# Altium PCB WX0.012.299PCB-4.2(4).PcbDoc (part 2 of 3)
Units mm, origin at the board's own origin, x right, y up, seen from the top; angles counter-clockwise.
Board outline 134.25 x 181.85 mm, 4 copper layers (Top Layer, GND, POWER, Bottom Layer), stack 0.778 mm thick; 242 components, 152 nets, 754 pads, 835 vias.
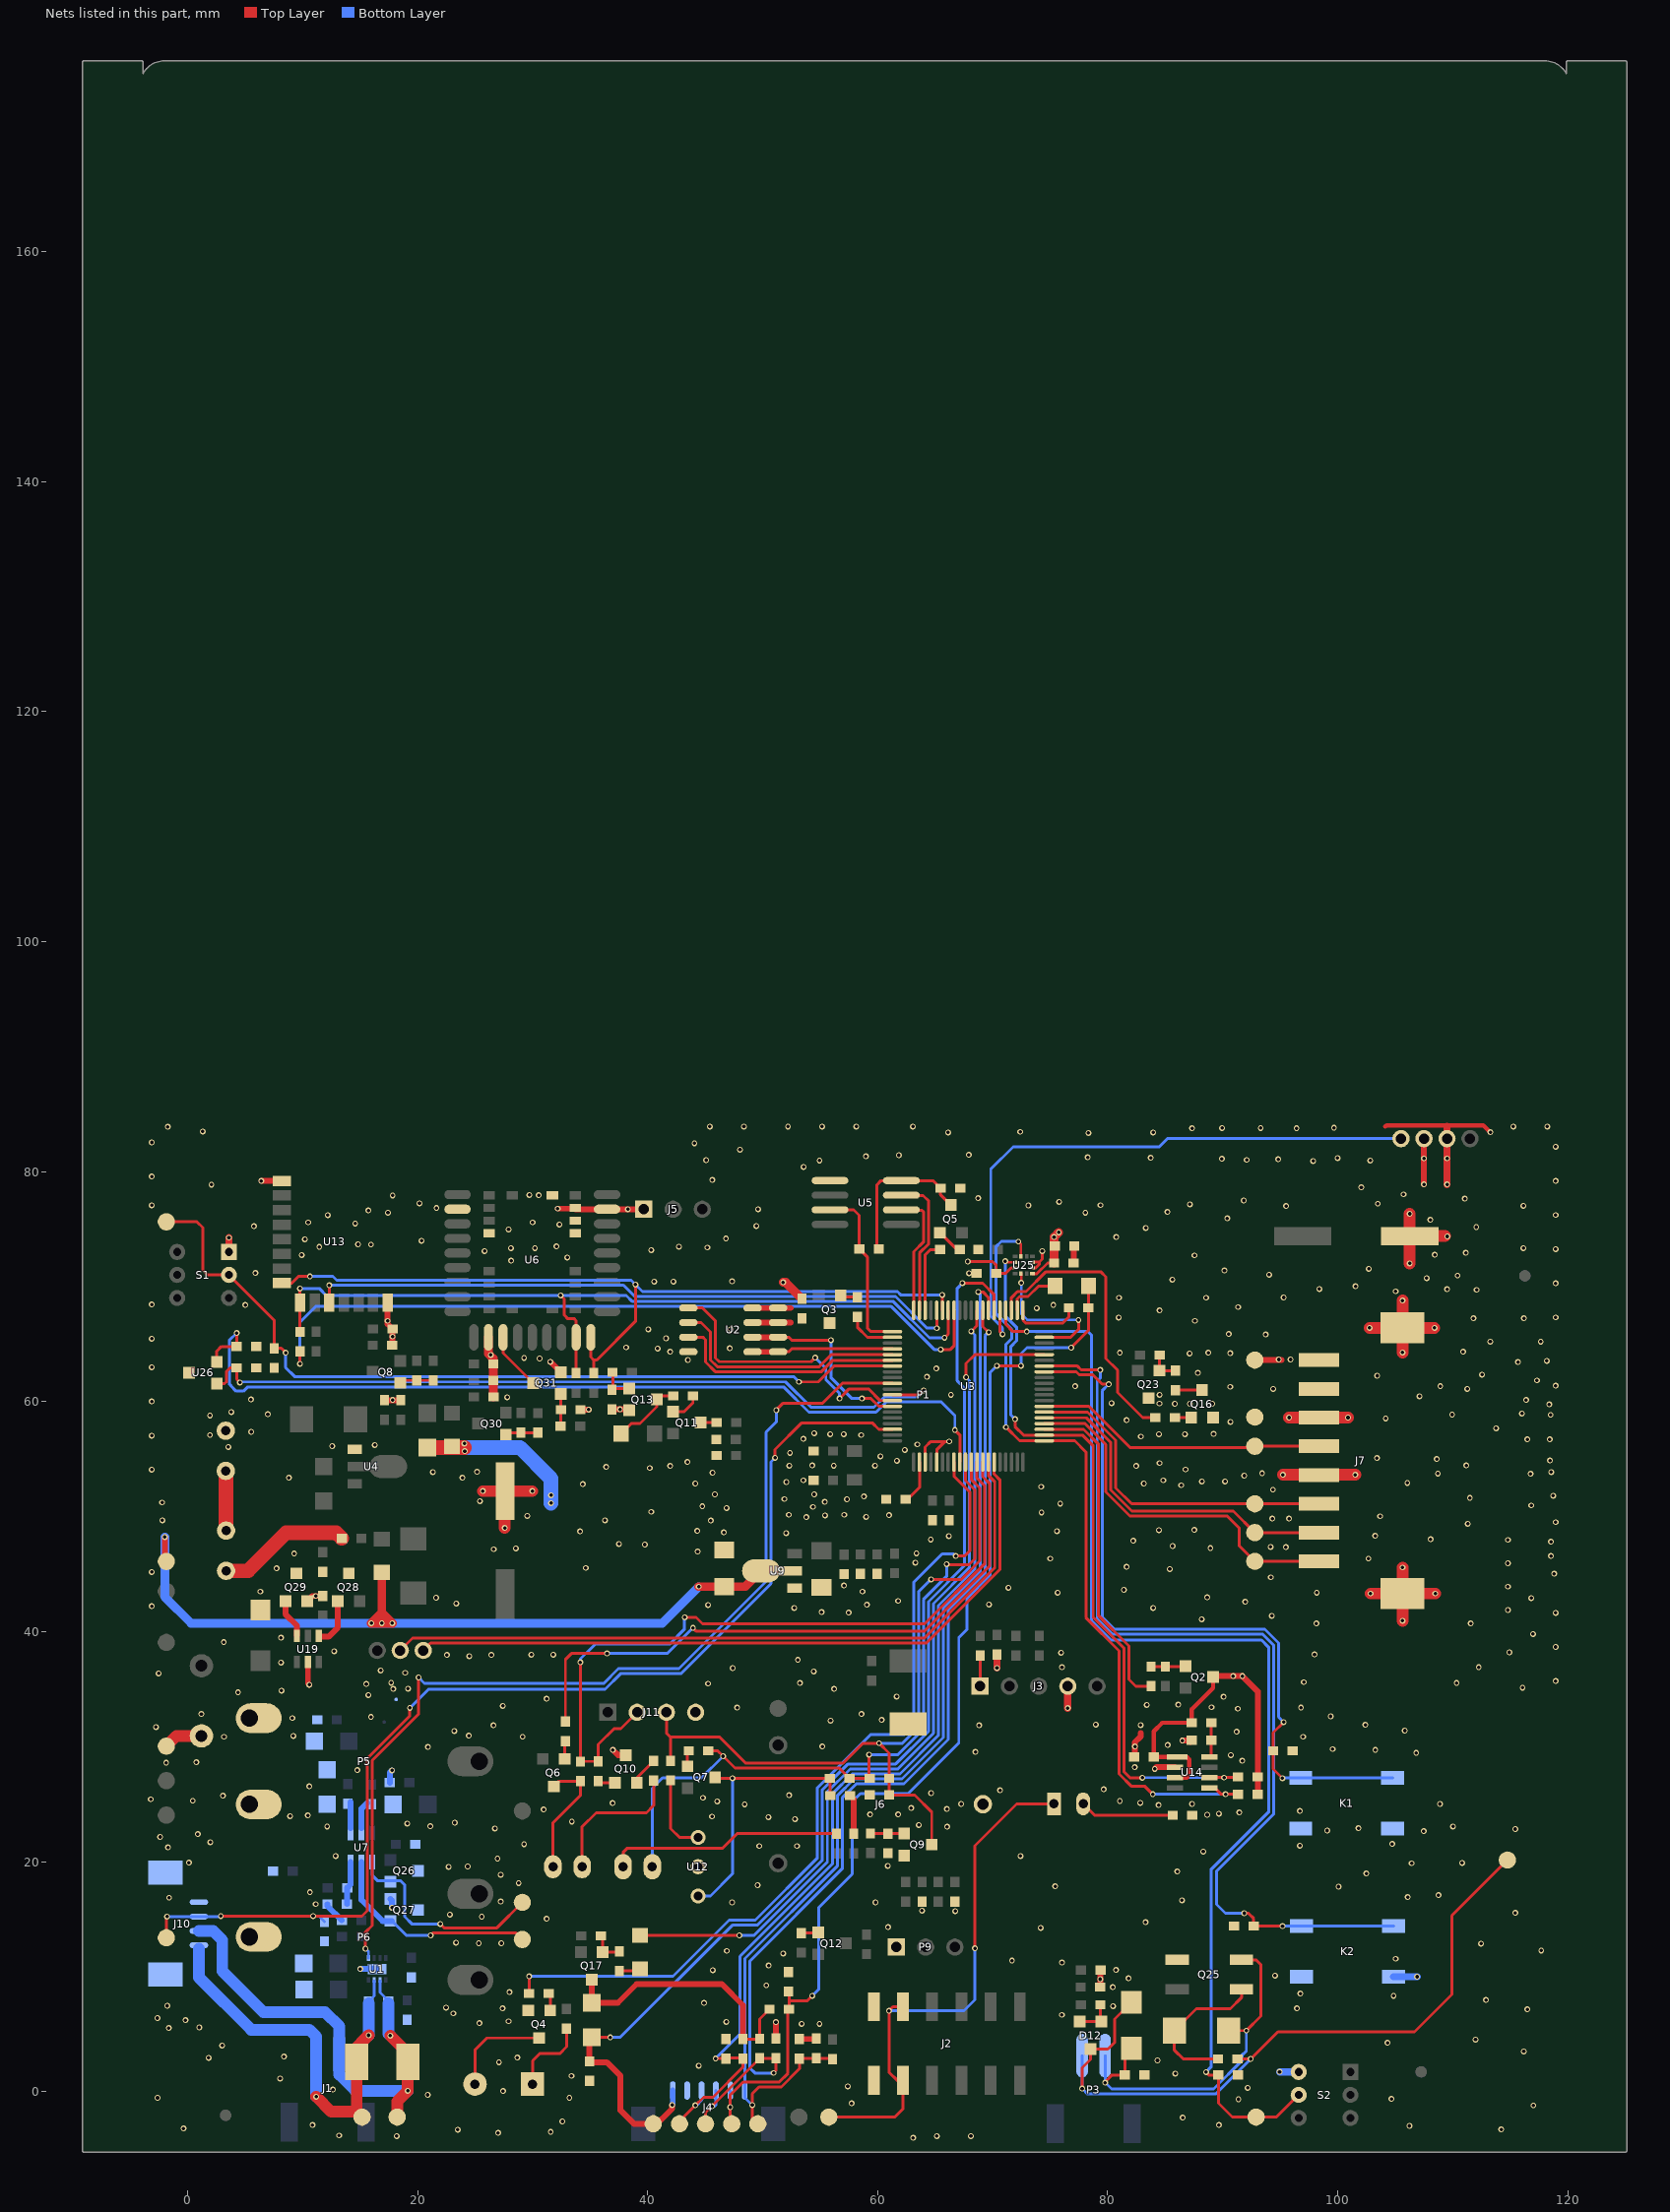
[diagram p4: the nets of this part, all layers, seen from the top]

## Via types
v1: diameter 0.508, hole 0.305, Top Layer to Bottom Layer, tented both sides, 835 vias

## Nets (pads, with @x,y where several pads share a name; then routed paths per layer and width w, separated by ;. In a path a pad name is that pad's centre, name@x,y a point inside that pad or via, vN(x,y) a via of type N, cw(c..) or ccw(c..) an arc to the next point about the centre after c; other vN are vias at no path point) (continued)
BEEP: R22.2 U3.68 | length 74.4
  Top Layer w0.254: R22.2@29.693,8.534 v1(29.693,10.033) ; U3.68@66.633,54.745 66.633,53.528 68.021,52.14 68.021,47.041 67.564,46.584 v1(66.789,46.584)
  Bottom Layer w0.254: v1(29.693,10.033) 42.215,10.033 47.092,14.91 49.348,14.91 54.762,20.324 54.762,26.44 59.386,31.064 62.305,31.064 63.119,31.878 63.119,44.272 65.608,46.761 66.611,46.761 v1(66.789,46.584)
BLE_IND: U3.36 U13.11 | length 57.4
  Top Layer w0.254: U13.11@12.322,68.606 v1(12.322,70.126) ; v1(65.133,66.388) U3.36@65.133,67.945
  Bottom Layer w0.254: v1(12.322,70.126) 37.9,70.126 38.887,69.139 61.545,69.139 64.296,66.388 v1(65.133,66.388)
BLE_INTP: R34.2 U3.33 | length 66.9
  Top Layer w0.254: v1(9.779,63.297) R34.2@9.779,64.364 ; v1(65.481,64.541) 66.319,64.541 66.633,64.855 U3.33@66.633,67.945
  Bottom Layer w0.254: v1(9.779,63.297) 9.779,66.929 11.125,68.275 61.188,68.275 64.921,64.541 v1(65.481,64.541)
BLE_RXD1: R34.1 R95.2 U3.34 U6.17@33.785,65.597 U13.9 | length 71.7
  Top Layer w0.254: R34.1@9.779,66.065 9.782,66.068 U13.9@9.782,68.606 v1(9.782,69.85) ; v1(32.436,69.24) 32.741,68.936 32.741,67.539 33.071,67.208 33.63,67.208 33.785,67.053 U6.17@33.785,65.597 R95.2@33.785,62.586 ; v1(65.811,65.557) 66.133,65.879 U3.34@66.133,67.945
  Bottom Layer w0.254: v1(9.782,69.85) 11.455,69.85 12.065,69.24 v1(32.436,69.24) 38.151,69.24 38.684,68.707 61.366,68.707 64.516,65.557 v1(65.811,65.557)
BLE_TXD1: R96.2 U3.35 U6.18@35.055,65.597 U13.8 | length 71.1
  Top Layer w0.254: U13.8@8.192,70.306 9.067,70.306 9.652,70.891 v1(10.643,70.891) ; U6.18@35.055,65.597 35.055,63.881 35.306,63.63 ; R96.2@35.306,62.484 35.306,63.63 ; v1(38.938,70.18) 38.938,66.98 35.588,63.63 35.306,63.63 ; U3.35@65.633,67.945 v1@65.633,69.291
  Bottom Layer w0.254: v1(10.643,70.891) 12.635,70.891 12.968,70.558 38.56,70.558 v1(38.938,70.18) 39.548,69.571 61.724,69.571 62.004,69.291 v1(65.608,69.291)
CAP_CHK: C46.1 U3.69 U26.2 | length 78.2
  Top Layer w0.254: U26.2@2.549,63.47 2.549,64.398 2.946,64.795 C46.1@4.28,64.795 v1(4.28,65.977) ; v1(66.713,57.531) 67.145,57.099 67.145,54.758 U3.69@67.133,54.745
  Bottom Layer w0.254: v1(4.28,65.977) 3.632,65.329 3.632,61.544 3.785,61.392 3.785,61.356 4.231,60.909 4.862,60.909 5.242,61.289 51.817,61.289 54.026,59.08 59.856,59.08 60.745,59.969 65.543,59.969 66.713,58.799 v1(66.713,57.531)
CAP_CTL: C48.1 U3.52 U26.1 | length 68.1
  Top Layer w0.254: U26.1@2.549,61.57 3.226,61.57 3.404,61.747 3.404,62.636 3.708,62.941 C48.1@4.28,62.941 4.28,61.938 v1(4.547,61.671) ; U3.52@61.283,60.595 63.631,60.595 ; 63.676,60.641 64.01,60.974 v1(64.01,60.985)
  Bottom Layer w0.254: v1(4.547,61.671) 4.596,61.721 51.996,61.721 54.205,59.512 59.678,59.512 60.567,60.401 63.471,60.401 64.01,60.94 v1(64.01,60.985)
CARD_BSL: BSL1.1 C29.2 C95.1 J4.1 R55.1 U3.27 | length 95.8
  Top Layer w0.254: BSL1.1@49.098,-3.099 v1(49.098,-1.168) 49.098,-0.178 49.682,0.406 51.619,0.406 53.194,1.981 C95.1@53.194,2.877 R55.1@56.026,2.877 ; v1(68.745,69.545) 69.152,69.545 69.633,69.064 U3.27@69.633,67.945
  Bottom Layer w0.254: v1(49.098,-1.168) 48.463,-0.533 48.463,11.582 56.49,19.609 56.49,25.725 57.968,27.203 62.108,27.203 65.71,30.805 65.71,42.084 68.898,45.272 68.898,69.393 v1(68.745,69.545)
CARD_POW: C96.2 CPOW1.1 J4.6 R51.1 U3.26 | length 104.7
  Top Layer w0.254: R51.1@35.154,4.724 v1(36.754,4.724) ; v1(67.361,70.307) 69.126,70.307 70.133,69.301 U3.26@70.133,67.945
  Top Layer w0.508: R51.1@35.154,4.724 34.95,4.521 C96.2@34.95,2.629 35.014,2.565 36.449,2.565 37.643,1.372 37.643,-1.626 38.811,-2.794 CPOW1.1@40.488,-2.794 ; CPOW1.1@40.488,-3.124 42.139,-1.473 v1(42.139,-1.168)
  Bottom Layer w0.254: v1(36.754,4.724) 37.615,4.724 47.369,14.478 49.527,14.478 55.194,20.145 55.194,26.261 57.432,28.499 61.572,28.499 64.414,31.341 64.414,42.62 67.551,45.757 67.551,61.178 66.917,61.813 66.917,69.863 v1(67.361,70.307)
  Bottom Layer w0.508: v1@42.189,-1.118 J4.6@42.189,0.102
CARD_POW_EN: D18.2 U3.16 | length 77.1
  Top Layer w0.254: D18.2@39.345,13.591 v1(47.981,13.591) ; v1(67.679,62.128) 67.679,63.322 68.441,64.084 U3.16@74.472,64.084
  Bottom Layer w0.254: v1(47.981,13.591) 49.251,13.591 55.626,19.967 55.626,26.083 57.61,28.067 61.751,28.067 64.846,31.163 64.846,42.441 67.983,45.578 67.983,61.821 v1@67.679,62.126
CARD_RST: C100.1 J4.4 R75.2 RST1.1 U3.29 | length 88.3
  Top Layer w0.254: RST1.1@42.774,-2.565 v1(44.145,-1.194) 44.856,-0.483 45.669,-0.483 48.285,2.134 R75.2@48.285,2.87 ; v1(45.91,2.883) C100.1@46.812,2.883 ; C100.1@46.787,2.921 R75.2@48.12,2.921 ; v1(68.136,66.116) 68.633,66.613 U3.29@68.633,67.945
  Bottom Layer w0.254: v1(44.145,-1.194) 44.232,-1.194 44.689,-0.737 ; v1(45.91,2.883) 48.031,5.004 48.031,11.761 56.058,19.788 56.058,25.904 57.789,27.635 61.929,27.635 65.278,30.984 65.278,42.262 68.441,45.425 68.441,65.811 v1(68.136,66.116)
CARD_SCLK: C99.1 J4.3 R53.2 SCLK1.1 U3.28 | length 91.4
  Top Layer w0.254: SCLK1.1@45.034,-2.794 45.034,-1.829 v1(45.593,-1.27) R53.2@49.746,2.883 ; R53.2@49.733,2.896 51.143,2.896 C99.1@51.156,2.908 51.156,1.829 v1(50.952,1.626) ; U3.28@69.133,67.945 69.133,66.541 v1@69.634,66.04
  Bottom Layer w0.254: v1(45.593,-1.27) 45.847,-1.27 45.939,-1.178 J4.3@45.939,0.102 ; v1(50.952,1.626) 49.327,1.626 48.895,2.057 48.895,11.354 56.921,19.38 56.921,25.546 58.147,26.772 62.287,26.772 66.142,30.626 66.142,41.905 69.33,45.093 69.33,65.735 v1@69.634,66.04
  other v1: 69.66,66.04
CARD_SDA: C98.1 D19.1 DATA1.1 J4.2 R28.1 R54.2 | length 96.6
  Top Layer w0.254: DATA1.1@47.189,-2.942 v1(47.189,-1.346) 47.189,-0.285 48.312,0.838 51.44,0.838 52.197,1.595 R54.2@52.197,7.074 ; R54.2@52.299,7.175 52.299,7.899 ; C98.1@52.299,8.661 52.299,7.899 ; v1(54.305,8.331) 53.873,7.899 52.299,7.899 ; v1(70.358,63.119) v1(72.466,63.119) ; v1(76.823,64.694) 78.321,66.192 78.321,70.051 D19.1@78.323,70.053
  Bottom Layer w0.254: v1(47.189,-1.346) J4.2@47.189,0.102 ; v1(54.305,8.331) 54.889,8.915 54.889,16.026 57.785,18.922 57.785,25.188 58.505,25.908 62.645,25.908 67.056,30.319 67.056,39.486 67.742,40.172 67.742,42.894 69.761,44.914 69.761,62.522 v1(70.358,63.119) ; v1(72.466,63.119) 72.466,64.186 72.974,64.694 v1(76.823,64.694)
CLOSE: U1.5 U3.50 | length 86.9
  Top Layer w0.254: v1(15.469,12.437) 15.469,13.869 16.053,14.453 16.053,28.804 20.091,32.842 v1(20.091,36.017) ; v1(51.181,59.258) 51.181,59.284 51.74,59.842 55.171,59.842 56.924,61.595 U3.50@61.283,61.595
  Bottom Layer w0.254: v1(15.469,12.437) 15.735,12.171 U1.5@15.735,11.618 ; v1(20.091,36.017) 20.599,35.509 36.197,35.509 37.467,36.779 42.725,36.779 50.305,44.359 50.305,57.352 51.181,58.228 v1(51.181,59.258)
CSB_IRDA_CTL: D5.2 R41.2 R45.1 R46.1 U3.70 | length 63.5
  Top Layer w0.254: R45.1@45.276,29.65 46.093,29.65 v1(46.571,29.172) 47.6,28.143 56.658,28.143 R46.1@57.547,27.254 R41.2@59.147,27.254 ; v1(59.258,29.312) 59.258,27.294 R41.2@59.298,27.254 ; v1(65.989,45.872) 66.04,45.822 67.942,45.822 68.453,46.332 68.453,52.319 67.633,53.139 U3.70@67.633,54.745
  Bottom Layer w0.254: D5.2@40.526,19.442 D5.2@40.406,19.562 40.406,26.39 41.296,27.28 44.679,27.28 v1(46.571,29.172) ; v1(59.258,29.312) 61.774,29.312 63.983,31.52 63.983,42.799 65.989,44.806 v1(65.989,45.872)
CSB_IRDA_EN: R37.2 U3.73 | length 55.2
  Top Layer w0.254: R37.2@32.855,32.181 32.855,37.58 33.375,38.099 33.841,38.099 33.842,38.1 34.473,38.1 34.475,38.099 v1(36.474,38.099) ; v1(43.942,40.335) 44.247,40.03 64.036,40.03 69.748,45.743 69.748,52.855 69.133,53.471 U3.73@69.133,54.745
  Bottom Layer w0.254: v1(36.474,38.099) 41.706,38.099 v1(43.942,40.335)
CSB_IRDA_RX5: C28.1 J11.3 Q9.3 R9.2 R41.1 U3.71 | length 67.3
  Top Layer w0.254: J11.3@41.633,32.99 41.633,31.19 41.999,30.823 ; R9.2@41.999,28.777 41.999,30.823 ; v1(64.643,44.552) 67.283,44.552 68.885,46.153 68.885,52.498 68.133,53.249 U3.71@68.133,54.745 ; Q9.3@64.7,21.488 64.7,24.314 63.234,25.78 61.024,25.78 61,25.804 R41.1@61,27.254 61,29.424 v1(60.122,30.302) 58.725,30.302 56.998,28.575 48.514,28.575 46.266,30.823 41.999,30.823
  Bottom Layer w0.254: v1(60.122,30.302) 62.154,30.302 63.551,31.699 63.551,43.459 v1(64.643,44.552)
CSB_IRDA_TX5: J11.2 R50.2 R62.2 U3.72 | length 65.2
  Top Layer w0.254: R50.2@34.158,28.702 v1(34.158,37.338) ; R50.2@34.176,28.72 R62.2@35.7,28.72 35.7,30.188 37.084,31.572 37.675,31.572 J11.2@39.093,32.99 ; v1(43.231,41.25) 44.221,41.25 44.78,40.691 64.085,40.691 69.317,45.922 69.317,52.676 68.633,53.36 U3.72@68.633,54.745
  Bottom Layer w0.254: v1(34.158,37.338) 34.158,37.638 35.458,38.938 41.934,38.938 43.18,40.184 43.18,41.199 v1(43.231,41.25)
DA228_INT: U3.19 U25.5 | length 12.8
  Top Layer w0.203: v1@72.483,70.333 U25.5@72.483,71.132
  Top Layer w0.254: U3.19@74.483,65.595 76.771,65.595 77.458,66.282 v1(77.458,67.107)
  Bottom Layer w0.203: v1(72.479,70.333) 72.479,67.64 73.013,67.107 v1(77.458,67.107)
DW_CHEAK: C106.1 DW.1 J10.3 U3.58 | length 98.9
  Top Layer w0.254: DW.1@-1.841,13.386 v1@-1.841,15.177 ; v1(2.896,15.265) v1(10.922,15.265) 15.164,15.265 15.621,15.723 15.621,28.982 19.329,32.691 v1(19.329,33.376) ; v1(51.079,55.118) 51.079,55.839 53.404,58.164 59.528,58.164 60.096,57.595 U3.58@61.283,57.595
  Bottom Layer w0.254: v1(-1.788,15.23) J10.3@0.991,15.23 2.86,15.23 v1(2.896,15.265) ; v1(10.922,15.265) 11.43,15.265 C106.1@11.913,14.783 ; v1(19.329,33.376) 20.955,35.001 36.3,35.001 37.646,36.347 42.904,36.347 50.737,44.18 50.737,54.775 v1(51.079,55.118)
ESAM_CLK: U3.40 U5.6 | length 10.3
  Top Layer w0.254: U5.6@62.688,76.656 63.831,76.656 64.009,76.478 64.009,73.913 63.133,73.037 U3.40@63.133,67.945
ESAM_IO: R36.1 U3.41 U5.3 | length 15.1
  Top Layer w0.254: U5.3@55.855,76.683 57.912,76.683 58.395,76.2 R36.1@58.395,73.279 59.132,72.542 59.132,66.369 59.406,66.095 U3.41@61.283,66.095
ESAM_POW: R27.2 U3.38 | length 6.3
  Top Layer w0.254: U3.38@64.133,67.945 64.133,72.767 64.593,73.227 R27.2@65.431,73.227
ESAM_RST: U3.39 U5.7 | length 11.8
  Top Layer w0.254: U5.7@62.688,77.926 63.958,77.926 64.441,77.444 64.441,73.734 63.633,72.927 U3.39@63.633,67.945
FLASH_CLK: U2.6 U3.54 | length 14.3
  Top Layer w0.254: U2.6@51.343,65.607 52.274,65.607 52.528,65.353 v1(55.931,65.354) ; v1(58.636,60.274) 59.423,60.274 60.101,59.595 U3.54@61.283,59.595
  Bottom Layer w0.254: v1(55.931,65.354) 55.931,62.101 57.758,60.274 v1(58.636,60.274)
FLASH_CS: U2.1 U3.53 | length 24.8
  Top Layer w0.254: U2.1@43.543,68.147 44.781,68.147 45.899,67.03 45.899,63.806 46.23,63.475 54.205,63.475 v1(54.56,63.829) ; v1(56.68,60.274) 57.519,61.112 59.195,61.112 60.212,60.095 U3.53@61.283,60.095
  Bottom Layer w0.254: v1(54.56,63.829) 55.499,62.89 55.499,61.923 56.68,60.741 v1(56.68,60.274)
FLASH_MISO: U2.2 U3.45 | length 21.2
  Top Layer w0.254: U2.2@43.543,66.877 44.654,66.877 45.467,66.064 45.467,63.627 46.051,63.043 54.917,63.043 55.969,64.095 U3.45@61.283,64.095
FLASH_MOSI: U2.5 U3.44 | length 10
  Top Layer w0.254: U2.5@51.343,64.337 52.274,64.337 52.528,64.591 U3.44@61.279,64.591
FLASH_POWER: R17.1 U3.42 | length 4.3
  Top Layer w0.254: R17.1@58.243,67.385 58.243,66.472 59.119,65.595 U3.42@61.283,65.595
FLASH_WP: U2.3 U3.46 | length 20.5
  Top Layer w0.254: U2.3@43.543,65.607 44.807,65.607 45.035,65.379 45.035,63.448 45.872,62.611 55.115,62.611 56.099,63.595 U3.46@61.283,63.595
GND: C9.1 C10.1 C11.2 C12.2 C16.1 C17.1 C18.2 C20.1 C22.1 C23.2 C25.2 C27.2 C28.2 C29.1 C30.1 C32.2 C33.1 C35.2 C36.1 C38.2 C41.2 C46.2 C48.2 C49.1 C50.2 C52.2 C55.1 C61.1 C63.2 C64.2 C65.2 C66.2 C70.1 C71.1 C75.2 C77.2 C78.2 C80.2 C81.2 C82.2 C83.2 C91.2 C95.2 C96.1 C98.2 C99.2 C100.2 C102.2 C103.1 C104.1 C105.1 C106.2 FB2.1 GND1.1 GND.1 J2.11 J2.12 J3.4 J4.5 J5.1 J6.2 J7.4 J7.6 J7.9 J7.10 J10.4 J10.5 J10.6 J11.4 K1.2 K2.2 P1.2 P1.3 P2.2 P9.1 Q4.2 Q9.2 Q10.3 Q13.2 Q16.2 Q25.3 Q27.2 Q29.2 Q31.2 R32.2 R60.1 R66.2 R73.2 R78.2 R80.1 R81.1 R94.2 R99.1 R100.1 R116.2 S1.1 S2.6 S3.2 TVS1.1 U1.9 U2.4 U3.63 U3.65 U4.1 U5.1 U6.2@23.475,76.737 U6.11@26.165,65.597 U6.26@36.475,76.737 U6.29 U6.30 U6.31 U6.33 U6.38 U9.1 U12.2 U13.1 U13.15 U14.2 U25.8 U25.9 U26.3 | length 134.1
  Top Layer w0.254: U6.31@33.662,76.784 U6.31@33.725,76.847 ; U3.63@64.133,54.745 64.133,56.056 64.618,56.54 65.856,56.54 ; U3.65@65.133,54.745 65.133,55.817 65.856,56.54 ; v1(66.218,56.54) 65.856,56.54 ; v1(67.945,71.171) C103.1@68.606,71.171 ; U25.8@73.458,71.632 73.737,71.632 74.054,71.949 74.054,72.137 U25.9@73.463,72.137 ; 74.055,72.137 74.308,72.39 v1(74.308,73.101)
  Top Layer w0.381: 104.123,83.923 104.235,84.035 112.647,84.035 113.244,83.438 v1(113.272,83.438)
  Top Layer w0.508: v1(6.414,79.196) U13.1@8.192,79.196 ; Q29.2@10.414,42.666 10.852,43.104 R99.1@11.76,43.104 ; C23.2@17.12,60.122 C102.2@18.542,60.122 ; U13.15@17.402,68.606 17.402,66.748 17.818,66.332 C63.2@17.818,64.922 ; v1(31.547,63.472) Q31.2@32.448,62.57 ; v1(32.182,76.784) U6.31@33.662,76.784 ; U6.31@33.725,76.737 33.728,76.733 J5.1@39.675,76.733 ; R94.2@34.163,59.309 v1(34.874,59.309) ; R78.2@36.893,59.334 Q13.2@38.3,59.334 ; v1(36.982,29.718) 37.434,29.266 Q10.3@38.113,29.266 ; C99.2@51.156,4.61 v1(51.156,6.045) ; C95.2@53.194,4.578 C29.1@54.616,4.578 ; C9.1@57.585,25.756 57.916,25.425 R60.1@57.916,22.428 ; C104.1@77.039,72.06 C105.1@77.038,73.482 ; C38.2@79.35,9.092 C80.2@79.35,10.197 ; C12.2@82.36,29.165 82.36,30.378 82.855,30.873 82.855,31.166 ; v1(84.087,28.073) 84.225,28.211 U14.2@85.835,28.211 ; v1(86.487,30.531) 87.078,30.531 87.18,30.428 R32.2@87.307,30.555 ; v1(107.496,78.889) P1.3@107.496,82.869
  Top Layer w0.635: S1.1@3.6,73.018 v1(3.6,74.263) ; v1(70.372,36.842) C33.1@70.372,38.014 ; v1(76.531,33.349) J3.4@76.531,35.254 ; v1(109.496,78.889) P1.2@109.496,82.869 ; 109.496,81.778 109.496,83.921
  Top Layer w0.762: U6.11@26.165,65.597 26.165,64.158 26.571,63.751 C81.2@26.571,60.427 ; v1(51.791,70.383) 51.993,70.383 C18.2@53.417,68.96
  Top Layer w1.016: GND.1@-1.841,30.047 -0.952,30.936 P2.2@1.207,30.936 ; v1(25.67,52.224) C75.2@27.61,52.224 v1(29.982,52.224) ; v1(27.584,49.022) C75.2@27.584,52.224 ; v1(95.225,53.649) v1(101.522,53.649) ; v1(95.759,58.619) v1(100.89,58.619) ; v1(102.767,66.418) J7.10@105.625,66.418 v1(108.405,66.418) ; v1(102.845,43.318) J7.9@105.625,43.318 ; v1(105.625,40.945) J7.9@105.625,43.318 ; v1(105.625,45.586) J7.9@105.625,43.318 ; v1(105.625,64.28) v1(105.625,68.791) ; v1(106.25,72.024) C77.2@106.25,74.397 ; v1(106.25,76.336) C77.2@106.25,74.397 ; v1(108.483,43.318) J7.9@105.625,43.318 ; v1@109.322,74.397 C77.2@106.25,74.397
  Bottom Layer w0.508: R116.2@12.167,16.307 12.167,16.142 C35.2@13.411,14.897 ; v1(15.024,10.668) U1.9@16.485,10.668 ; C71.1@17.59,26.873 17.59,27.75 v1(17.78,27.94) ; Q27.2@17.647,16.749 17.78,16.616 v1(17.78,16.002)
  Bottom Layer w0.635: v1(94.941,1.718) S2.6@96.598,1.718 ; K2.2@104.858,9.996 v1(106.886,9.996)
  other v1: 63.081,-4.014 18.186,-3.861 65.134,-3.862 68.101,-3.862 13.183,-3.81 27,-3.581 31.572,-3.505 23.495,-3.302 114.212,-3.278 -0.342,-3.201 106.236,-2.973 10.871,-2.896 89.662,-2.896 32.588,-2.591 86.512,-2.261 117.006,-1.195 57.734,-1.016 91.364,-0.66 104.661,-0.636 -2.603,-0.534 33.198,-0.533 20.879,-0.279 27.432,0.051 12.649,0.178 92.177,0.33 57.404,0.457 8.052,1.143 33.376,1.372 85.877,1.575 44.45,2.261 27.076,2.565 84.328,2.718 1.829,2.946 28.677,2.972 8.382,3.048 116.167,3.504 3.01,4.012 104.318,4.242 111.976,4.52 -1.626,5.537 1.016,5.588 53.391,5.893 54.94,5.893 25.385,5.962 46.838,6.071 27.915,6.121 -0.178,6.223 -2.616,6.401 76.01,6.679 23.114,6.807 116.472,7.162 27.381,7.239 96.444,7.239 22.479,7.315 80.467,7.442 -1.753,7.468 44.907,7.722 112.891,7.975 104.851,8.331 96.749,8.534 27.991,8.661 80.442,9.093 50.317,9.246 79.35,9.779 81.813,9.855 94.539,10.084 45.669,10.566 80.721,10.592 50.521,10.973 76.022,11.227 71.679,11.405 105.029,11.557 51.791,12.014 46.888,12.243 117.691,12.267 112.459,12.877 25.324,12.903 27.28,12.903 23.343,12.954 74.168,14.249 60.909,14.3 83.287,14.732 31.217,15.037 25.578,15.215 22.809,15.392 115.431,15.544 66.751,15.697 63.856,15.748 11.151,16.307 47.346,16.459 59.817,16.459 27.229,16.535 86.449,16.636 -1.6,16.866 106.084,16.915 108.751,17.093 10.643,17.348 100.064,17.83 75.438,17.856 49.555,17.958 28.791,18.135 27.229,18.872 102.477,18.973 86.055,19.152 22.708,19.558 24.359,19.583 60.884,19.634 106.414,19.862 110.808,19.887 0.127,19.914 26.949,20.269 12.878,20.498 72.415,20.498 88.304,20.878 -1.702,21.234 49.708,21.361 52.984,21.361 96.698,21.387 29.261,21.514 104.724,21.539 1.981,21.692 -2.388,22.149 0.889,22.403 107.467,22.657 99.085,22.708 115.431,22.834 26.721,22.885 101.803,22.911 66.04,23.038 12.141,23.063 110.021,23.062 21.107,23.089 63.576,23.19 19.101,23.317 23.241,23.393 33.414,23.494 52.807,23.698 50.495,23.876 45.606,23.926 8.915,23.952 10.461,24.025 88.646,24.079 59.334,24.105 61.773,24.105 89.662,24.181 91.44,24.282 96.698,24.409 30.963,24.536 66.015,24.587 62.916,24.663 84.43,24.917 48.438,24.994 67.259,25.019 87.325,25.019 108.878,25.018 36.957,25.095 82.829,25.121 46.05,25.248 81.051,25.273 0.457,25.298 -3.2,25.425 44.806,25.552 3.073,25.73 52.299,25.781 64.643,25.959 70.637,26.213 79.654,26.289 10.592,26.543 14.757,27.965 82.347,28.219 -1.854,28.6 0.762,28.651 91.694,28.778 90.703,29.261 106.82,29.463 68.492,29.539 103.264,29.717 99.556,29.793 20.904,29.972 82.36,30.01 55.194,30.023 85.217,30.15 3.175,30.861 29.134,30.861 96.977,30.861 9.195,30.937 24.46,30.963 91.211,31.293 23.19,31.369 105.83,31.393 -2.743,31.699 26.594,31.852 68.822,31.851 82.855,31.877 102.401,31.901 78.969,31.928 55.905,32.258 60.35,32.334 9.119,32.487 15.951,32.588 99.378,32.638 1.207,32.841 58.598,32.842 91.313,33.299 47.777,33.401 96.799,33.401 89.027,33.426 27.407,33.553 83.388,33.63 86.131,33.655 31.217,34.163 90.068,34.341 61.646,34.366 15.723,34.493 4.394,34.722 8.179,34.874 56.21,35.027 19.177,35.052 116.061,35.127 15.545,35.458 45.263,35.484 53.238,35.535 110.325,35.534 97.053,35.611 118.936,35.704 -2.501,36.372 18.923,36.424 54.432,36.551 16.789,36.627 47.396,36.83 76.023,36.905 112.256,36.905 8.128,37.313 53.061,37.541 24.496,37.869 22.555,37.973 26.416,37.973 29.896,37.998 31.801,37.998 97.981,38.023 75.955,38.175 114.923,38.201 12.751,38.303 118.936,38.672 3.15,39.091 8.128,39.472 116.98,39.801 98.146,40.716 111.557,40.716 88.163,41.072 94.259,41.377 118.936,41.639 57.48,41.656 55.118,41.707 114.796,41.884 52.756,42.062 83.956,42.061 -3.111,42.216 45.263,42.316 59.055,42.342 69.672,42.367 23.368,42.443 91.948,42.596 61.773,42.672 116.828,42.925 21.615,42.951 88.646,42.977 11.151,43.104 75.641,43.383 98.171,43.383 6.325,43.485 58.674,43.485 81.407,43.637 71.374,43.815 114.796,43.916 57.074,44.018 94.183,44.729 118.809,45.033 -3.111,45.183 85.395,45.441 7.747,45.517 34.62,45.542 81.636,45.644 114.796,45.948 63.271,45.999 75.006,46.355 102.667,46.355 118.53,46.583 9.271,46.787 63.373,46.812 44.348,46.965 26.619,47.168 28.55,47.244 88.925,47.269 95.479,47.346 94.158,47.371 85.649,47.447 39.751,47.574 37.516,47.625 118.537,47.827 82.22,47.904 114.796,47.98 64.618,48.006 108.077,48.031 66.192,48.311 103.251,48.336 52.045,48.565 46.634,48.641 34.138,48.717 75.59,48.743 44.323,48.768 84.455,48.819 87.528,48.844 111.303,49.378 118.936,49.524 45.491,49.657 -2.184,49.682 36.297,49.682 94.31,49.835 95.758,49.835 53.797,49.962 59.004,49.987 103.683,50.038 29.54,50.063 55.423,50.114 60.985,50.14 52.273,50.165 57.099,50.165 74.244,50.368 40.31,50.419 46.863,50.749 54.381,50.851 44.755,50.902 116.815,50.978 75.87,51.13 -2.21,51.232 55.397,51.283 25.425,51.359 57.328,51.511 51.892,51.537 111.481,51.638 58.801,51.765 118.733,51.815 45.847,51.943 54.483,51.943 94.361,52.349 74.219,52.603 86.385,52.73 34.366,52.832 44.145,52.883 83.134,52.883 106.045,52.934 52.07,53.01 88.189,53.061 90.195,53.061 53.543,53.162 84.836,53.162 8.814,53.391 23.901,53.391 91.872,53.569 116.764,53.721 108.7,53.745 93.421,53.772 45.644,53.823 21.336,53.873 118.555,53.872 25.171,53.899 -3.111,54.085 86.766,54.102 40.183,54.229 36.398,54.331 41.961,54.407 82.474,54.407 52.324,54.432 56.185,54.432 59.767,54.431 54.305,54.458 111.176,54.458 84.506,54.661 43.459,54.762 61.671,54.864 118.453,54.888 108.598,55.015 103.403,55.093 60.236,55.245 52.375,55.55 62.357,55.804 3.556,56.058 12.573,56.134 16.281,56.236 63.449,56.286 116.484,56.718 118.428,56.717 53.543,56.769 82.88,56.972 -3.111,57.052 1.956,57.099 58.572,57.099 55.88,57.175 57.048,57.175 84.455,57.175 86.716,57.175 89.205,57.201 54.483,57.252 5.537,57.379 113.754,57.682 90.678,58.242 81.636,58.395 104.165,58.547 1.956,58.801 118.504,58.851 109.944,58.876 6.985,58.903 116.015,58.978 3.81,59.106 37.597,59.334 118.377,59.765 85.827,59.817 87.14,59.815 89.078,59.817 80.34,59.868 -3.111,60.019 17.831,60.147 116.371,60.146 5.512,60.198 27.788,60.376 107.1,60.476 66.37,60.604 94.386,61.112 111.252,61.112 90.653,61.29 77.165,61.341 108.915,61.341 118.936,61.393 117.323,61.849 64.287,62.154 103.429,62.255 112.547,62.357 87.833,62.509 65.1,62.89 -3.111,62.986 115.67,63.448 118.174,63.55 43.51,63.627 30.607,63.754 29.261,63.805 26.365,64.059 87.122,64.186 90.653,64.211 81.051,64.262 88.748,64.262 41.961,64.338 110.896,64.338 40.869,64.618 47.142,64.643 38.125,64.719 113.257,65.226 117.648,65.226 -3.111,65.48 41.605,65.507 17.818,65.659 93.726,65.837 90.526,65.888 40.056,66.294 47.219,66.294 17.402,67.031 87.579,67.031 111.788,67.258 116.178,67.258 80.95,67.31 118.936,67.327 84.506,67.945 73.825,68.123 91.338,68.224 5.017,68.401 75.273,68.402 -3.111,68.447 80.975,69.037 88.544,69.037 95.301,69.063 105.029,69.596 112.065,69.723 109.499,69.774 98.4,69.799 101.549,70.028 118.936,70.295 40.564,70.434 42.24,70.434 47.346,70.46 85.623,70.612 107.721,70.739 110.414,70.968 94.031,71.044 5.906,71.195 90.145,71.399 102.692,71.552 28.143,72.263 33.02,72.542 87.554,72.72 9.931,72.746 108.433,72.771 111.125,72.949 25.832,73.101 40.31,73.177 118.936,73.262 28.118,73.355 30.201,73.355 116.142,73.354 45.187,73.406 11.455,73.457 42.723,73.482 32.08,73.508 15.951,73.66 14.834,73.685 20.345,73.99 10.211,74.117 46.812,74.193 80.747,74.32 109.525,74.371 27.915,74.981 83.312,75.108 112.039,75.184 5.779,75.259 49.454,75.286 32.334,75.413 14.58,75.489 10.49,75.59 29.997,75.59 108.052,75.819 90.399,75.946 12.192,76.225 118.936,76.229 17.424,76.429 78.054,76.429 85.192,76.505 15.723,76.632 38.278,76.737 49.606,76.733 21.641,76.835 95.504,77.013 116.142,77.037 73.101,77.064 -3.111,77.083 79.375,77.089 87.147,77.165 103.48,77.216 20.168,77.241 75.768,77.368 91.821,77.495 111.049,77.648 68.732,77.699 17.831,77.927 30.531,77.953 29.718,77.978 105.715,78.029 102.045,78.637 2.083,78.867 118.936,79.196 45.618,79.273 -3.111,79.577 53.569,80.416 97.866,80.924 54.94,80.975 102.832,80.974 45.085,81.001 92.088,81.025 94.818,81.077 89.916,81.128 107.496,81.153 109.496,81.153 99.974,81.178 83.732,81.203 78.257,81.255 58.979,81.331 61.837,81.431 67.92,81.458 48.031,81.915 118.936,82.163 44.069,82.474 -3.111,82.544 78.321,83.362 66.116,83.414 83.947,83.414 72.39,83.464 1.321,83.49 87.325,83.769 96.418,83.769 89.941,83.795 93.294,83.795 99.67,83.82 -1.714,83.895 45.403,83.923 48.37,83.923 52.203,83.923 55.17,83.923 58.138,83.923 63.056,83.923 115.253,83.923 118.22,83.923
HP303_CTRL: R21.1 U3.3 | length 29
  Top Layer w0.254: U3.3@74.483,57.595 77.909,57.595 79.173,56.332 79.173,41.43 81.852,38.75 81.852,35.851 82.449,35.254 R21.1@83.77,35.254
HP303_SCL: R12.2 U3.1 U14.5 U25.12 | length 69.7
  Top Layer w0.203: v1(72.232,73.918) 72.458,73.693 U25.12@72.458,72.632
  Top Layer w0.254: v1(71.158,57.785) 72.348,56.595 U3.1@74.483,56.595 77.136,56.595 78.105,55.626 78.105,41.224 80.989,38.341 80.989,27.634 82.081,26.542 83.236,26.542 v1(83.922,25.856) ; U14.5@88.835,26.411 89.311,26.411 89.866,25.856 v1(90.247,25.856) R12.2@91.339,25.856
  Bottom Layer w0.254: v1(71.158,57.785) 71.158,64.986 71.641,65.469 71.641,66.294 70.269,67.666 70.269,73.457 70.752,73.939 v1@72.232,73.939 ; v1(83.922,25.856) v1(90.247,25.856)
HP303_SDA: R13.2 U3.2 U14.6 U25.2 | length 64.3
  Top Layer w0.203: v1@71.162,72.132 U25.2@71.958,72.132
  Top Layer w0.254: v1(71.945,58.471) 71.945,57.833 72.682,57.095 U3.2@74.483,57.095 77.798,57.095 78.741,56.153 78.741,41.249 81.42,38.569 81.42,27.813 81.929,27.304 v1(83.008,27.304) ; U14.6@88.835,27.311 v1(90.12,27.311) 91.271,27.311 R13.2@91.339,27.38
  Bottom Layer w0.254: v1(71.082,72.212) 71.082,67.463 72.073,66.473 72.073,65.29 71.59,64.807 71.59,58.825 v1(71.945,58.471) ; v1(83.008,27.304) v1(90.12,27.311)
HP303_VCC: C12.1 C103.2 C104.2 C105.2 Q2.3 R1.2 R12.1 R13.1 U14.1 U14.3 U25.3 U25.7 | length 40.1
  Top Layer w0.254: v1(67.831,72.187) 69.99,72.187 70.307,71.869 C103.2@70.308,71.171 ; C103.2@70.308,71.171 71.133,71.171 71.594,71.632 U25.3@71.958,71.632 ; U25.7@73.458,71.132 73.847,71.132 74.775,72.06 C104.2@75.337,72.06
  Top Layer w0.381: U14.3@85.835,27.311 86.876,27.311 87.072,27.507 87.072,28.904 86.865,29.111 U14.1@86.035,29.111 C12.1@84.008,29.111 84.008,31.341 84.747,32.079 R1.2@87.307,32.079 87.307,33.243 89.161,35.097 Q2.3@89.161,36.052
  Top Layer w0.508: Q2.3@89.161,36.052 89.241,36.131 v1(90.907,36.131) v1(91.707,36.131) 93.041,34.797 R12.1@93.041,25.856
  Top Layer w0.762: C104.2@75.337,72.06 v1(75.337,74.321) v1(75.743,74.727)
IN1: 119.1 D12.3 P3.1 R90.1 TVS3.1 | length 63.8
  Top Layer w0.254: v1(77.779,0.276) 77.779,2.087 78.506,2.814 D12.3@78.506,3.701 80.017,3.701 80.594,4.278 80.594,6.325 TVS3.1@82.042,7.772 ; R90.1@91.288,2.845 v1(92.431,2.845) 94.793,5.207 106.669,5.207 109.919,8.457 109.919,15.315 119.1@114.745,20.141
  Bottom Layer w0.254: P3.1@77.779,3.127 v1(77.779,0.276) 78.257,-0.203 89.383,-0.203 v1(92.431,2.845)
INTP1: C16.2 K1.1 U3.13 | length 65.1
  Top Layer w0.254: U3.13@74.483,62.595 77.258,62.595 77.523,62.331 78.705,62.331 79.517,61.518 79.518,61.519 v1(80.086,61.519) ; v1(95.187,27.253) 94.387,28.054 C16.2@94.387,29.641 94.387,31.217 v1@95.301,32.131
  Bottom Layer w0.254: v1(80.086,61.519) 79.515,60.948 79.515,41.275 80.583,40.207 93.653,40.207 94.844,39.015 94.844,32.575 v1(95.288,32.131) ; v1(95.187,27.253) 95.228,27.294 K1.1@96.775,27.294 K1.1@104.775,27.294
INTP2: C17.2 K2.1 U3.14 | length 84.2
  Top Layer w0.254: U3.14@74.483,63.095 77.369,63.095 77.702,62.762 v1(79.35,62.762) ; v1(91.873,15.518) 92.228,15.518 92.685,15.062 C17.2@92.685,14.396 v1(95.199,14.396)
  Bottom Layer w0.254: v1(79.35,62.762) 79.35,62.062 79.083,61.795 79.083,41.096 80.404,39.775 93.474,39.775 94.413,38.837 94.413,24.13 89.459,19.176 89.459,16.281 90.222,15.518 v1(91.873,15.518) ; v1(95.199,14.396) K2.1@96.858,14.396 K2.1@104.858,14.396
IRQ: D9.1 IRQ.1 J2.9 J2.10 | length 47.1
  Top Layer w0.254: IRQ.1@55.753,-2.211 61.492,-2.211 62.2,-1.503 J2.9@62.2,0.977 61.7,0.977 60.985,1.692 v1(60.985,7.036) 61.328,7.378 J2.10@62.2,7.378 ; v1(68.453,12.471) 68.453,21.387 72.09,25.023 D9.1@75.331,25.023
  Bottom Layer w0.254: v1(60.985,7.036) 67.501,7.036 68.453,7.988 v1(68.453,12.471)
KEY_OPEN: C61.2 KEY_OPEN.1 S1.2 U3.47 | length 73.8
  Top Layer w0.254: KEY_OPEN.1@-1.841,75.64 0.826,75.64 1.334,75.132 1.334,71.449 1.765,71.018 S1.2@3.6,71.018 7.544,67.075 C61.2@7.544,64.655 ; C61.2@7.544,64.643 8.153,64.643 v1(8.534,64.262) ; v1(53.162,61.722) 54.836,61.722 56.21,63.095 U3.47@61.283,63.095
  Bottom Layer w0.254: v1(8.534,64.262) 8.534,62.967 9.348,62.153 52.731,62.153 v1(53.162,61.722)
KEY_OPEN1: C70.2 KEY_OPEN1.1 S2.5 U3.24 | length 101.2
  Top Layer w0.254: U3.24@71.133,67.945 71.133,66.726 71.768,66.091 v1(72.962,66.091) ; v1(88.544,1.702) 88.798,1.448 C70.2@89.624,1.448 89.624,-1.003 90.831,-2.211 KEY_OPEN1.1@92.901,-2.211 ; KEY_OPEN1.1@93.066,-2.211 94.669,-2.211 S2.5@96.598,-0.282
  Bottom Layer w0.254: v1(72.962,66.091) 78.296,66.091 78.601,65.786 78.601,63.371 ; 78.588,63.359 78.588,40.981 80.302,39.267 93.371,39.267 93.981,38.658 93.981,24.309 88.976,19.304 88.976,2.134 v1(88.544,1.702)
LCD_PWR: P1.4 U3.25 | length 53.7
  Top Layer w0.254: U3.25@70.633,67.945 70.633,66.083 v1(70.854,65.862)
  Bottom Layer w0.254: v1(70.854,65.862) 70.854,66.421 69.838,67.437 69.838,80.226 71.78,82.169 84.48,82.169 85.181,82.869 P1.4@105.496,82.869
LCD_SCL: P1.7 U3.74 | length 64.1
  Top Layer w0.254: P1.7@18.496,38.369 19.571,39.444 64.06,39.444 70.18,45.564 70.18,53.034 69.633,53.581 U3.74@69.633,54.745
LCD_SDA: P1.6 U3.75 | length 62.6
  Top Layer w0.254: P1.6@20.496,38.369 21.139,39.012 64.238,39.012 70.612,45.386 70.612,53.213 70.133,53.692 U3.75@70.133,54.745
MOTO_B: C60.2 C101.2 J1.1 J10.1 M_B1.1 TVS2.1 U1.3 | length 35.9
  Top Layer w1.016: v1(11.192,-0.432) 12.501,-1.74 M_B1.1@14.707,-1.74 ; TVS2.1@14.313,3.467 v1(15.748,4.902) ; TVS2.1@14.707,2.591 M_B1.1@14.707,-1.74 ; M_B1.1@15.177,-2.211 M_B1.1@14.707,-1.74
  Bottom Layer w0.254: C101.2@15.748,7.849 16.235,8.335 U1.3@16.235,9.631
  Bottom Layer w1.016: 0.991,12.446 0.991,9.931 5.537,5.385 10.592,5.385 11.192,4.785 J1.1@11.192,3.255 v1(11.192,-0.432) ; v1(15.748,4.902) C101.2@15.748,7.671
MOTO_R: C60.1 C101.1 J1.2 J10.2 M_R1.1 TVS2.2 U1.2 | length 40.1
  Top Layer w1.016: v1(17.628,4.877) TVS2.2@19.063,3.442 ; M_R1.1@18.225,-2.211 18.225,-0.85 v1(19.152,0.076) TVS2.2@19.152,2.591
  Bottom Layer w0.254: U1.2@16.735,9.631 16.735,8.627 C101.1@17.462,7.899
  Bottom Layer w1.016: J10.2@0.991,13.98 2.226,13.98 3.023,13.183 3.023,10.49 6.604,6.909 11.963,6.909 13.192,5.68 J1.2@13.192,3.255 13.192,1.489 14.605,0.076 v1(19.152,0.076) ; C101.1@17.462,7.671 17.462,5.042 v1(17.628,4.877)
NB_POWER: R88.2 U3.23 | length 25.1
  Top Layer w0.254: U3.23@71.633,67.945 71.633,69.046 72.157,69.571 72.896,69.571 74.598,71.272 79.426,71.272 79.832,70.866 79.832,63.754 80.848,62.738 80.848,60.808 83.035,58.621 R88.2@84.14,58.621
NB_PWRKEY: J7.1 PWRKEY.1 U3.4 | length 32.2
  Top Layer w0.254: U3.4@74.483,58.095 78.02,58.095 79.833,56.282 79.833,52.144 81.923,50.054 90.382,50.054 91.415,49.022 91.415,47.49 PWRKEY.1@92.787,46.118 J7.1@98.375,46.118
NB_RST: J7.2 RST.1 U3.5 | length 30.4
  Top Layer w0.254: U3.5@74.483,58.595 78.13,58.595 80.265,56.461 80.265,52.323 82.102,50.486 90.919,50.486 RST.1@92.787,48.618 J7.2@98.375,48.618
NB_RXD4: J7.3 RXD1.1 U3.6 | length 29.6
  Top Layer w0.254: U3.6@74.483,59.095 78.241,59.095 80.697,56.64 80.697,52.502 82.08,51.118 RXD1.1@92.787,51.118 J7.3@98.375,51.118
NB_TXD4: J7.5 TXD1.1 U3.7 | length 25.4
  Top Layer w0.254: U3.7@74.483,59.595 78.352,59.595 81.949,55.998 92.787,55.998 92.907,56.118 J7.5@98.375,56.118
NB_VIN1: J7.7 J7.8 Q23.3 VIN1.1 | length 2.3
  Top Layer w0.508: VIN1.1@92.787,63.618 95.124,63.618
  other v1: 84.496,59.84 84.506,60.604 94.871,63.67 95.887,63.67
NetB1_1: B1.1 R19.1 | length 7.1
  Top Layer w0.254: B1.1@30,0.66 30,2.695 30.607,3.302 32.36,3.302 32.969,3.912 R19.1@32.969,5.461
NetB1_2: B1.2 Q4.3 | length 9
  Top Layer w0.254: B1.2@25,0.66 25,3.639 26.029,4.667 Q4.3@30.582,4.667
NetC9_2: C9.2 Q7.3 R46.2 U12.3 | length 23.6
  Top Layer w0.254: Q7.3@45.866,27.339 45.951,27.254 v1(47.371,27.254) R46.2@55.845,27.254 C9.2@55.845,25.756
  Bottom Layer w0.254: U12.3@44.387,17.022 45.455,17.022 47.371,18.939 v1(47.371,27.254)
NetC18_1: C18.1 Q3.3 U2.7 U2.8 | length 2.2
  Top Layer w0.5: U2.7@51.343,66.877 52.433,66.877 ; U2.8@51.343,68.147 52.433,68.147
NetC25_1: C25.1 Q5.3 R36.2 U5.8 | length 13.5
  Top Layer w0.254: R36.2@60.096,73.279 59.919,73.457 59.919,78.842 60.3,79.223 U5.8@62.055,79.223 64.808,79.223 C25.1@65.47,78.561 65.47,77.996 Q5.3@66.371,77.094
NetC27_1: C27.1 U3.62 | length 3.9
  Top Layer w0.254: C27.1@62.446,51.358 63.633,52.544 U3.62@63.633,54.745
NetC32_1: C32.1 Q9.1 R57.2 | length 2.9
  Top Layer w0.254: R57.2@59.36,22.454 Q9.1@62.264,22.454
NetC41_1: C41.1 D11.2 TP1.1 U9.2 | length 70.8
  Top Layer w0.508: TP1.1@-1.968,46.101 v1(-1.968,48.221)
  Top Layer w0.762: D11.2@16.891,45.157 16.891,41.656 ; v1(44.45,43.917) C41.1@46.66,43.917 48.495,43.917 U9.2@49.867,45.288 ; v1(16.891,40.742) v1(17.805,40.742) 16.891,41.656 ; v1(16.891,40.742) v1(15.977,40.742) 16.891,41.656 ; v1(16.891,40.742) 16.891,41.656
  Bottom Layer w0.762: v1(-1.968,48.221) -1.968,43.014 0.305,40.742 v1(15.977,40.742) v1(16.891,40.742) v1(17.805,40.742) 41.275,40.742 v1(44.45,43.917)
NetC67_2: C67.2 R118.2 U7.4 | length 2.3
  Bottom Layer w0.508: U7.4@14.173,22.901 C67.2@14.173,25.174
NetC68_2: C68.2 R117.2 U7.5 | length 2.4
  Bottom Layer w0.508: U7.5@15.123,22.901 15.123,24.61 C68.2@15.621,25.108
NetC69_1: C69.1 R116.1 U7.3 | length 3.8
  Bottom Layer w0.508: R116.1@13.868,16.307 13.868,17.717 C69.1@13.881,17.729 14.173,18.022 U7.3@14.173,19.954
NetC72_2: C72.2 R119.2 U19.5 | length 2
  Top Layer w0.508: U19.5@10.47,37.351 10.47,35.504 v1(10.592,35.382)
NetC90_1: C90.1 R106.1 | length 11.6
  Top Layer w1.27: C90.1@3.353,45.291 5.26,45.291 8.56,48.59 12.929,48.59 R106.1@13.411,48.108
NetC90_2: C90.2 C91.1 | length 5.2
  Top Layer w1.27: C90.2@3.353,48.791 C91.1@3.353,53.952
NetD4_1: D4.1 Q6.3 R50.1 | length 10.9
  Top Layer w0.254: D4.1@31.77,19.562 31.77,23.374 34.158,25.762 R50.1@34.158,27 32.304,27 Q6.3@31.839,26.536
NetD4_2: D4.2 R47.1 | length 12.6
  Top Layer w0.254: D4.2@34.31,19.562 34.31,23.044 35.522,24.256 39.891,24.256 40.526,24.891 R47.1@40.526,27.05
NetD5_1: D5.1 R56.1 | length 21.2
  Top Layer w0.254: D5.1@37.343,20.086 D5.1@37.866,19.562 37.866,20.809 38.205,21.148 46.482,21.148 47.788,22.454 R56.1@56.416,22.454
NetD9_2: D9.2 R66.1 | length 8.2
  Top Layer w0.254: D9.2@77.871,25.023 78.866,24.028 R66.1@85.649,24.028
NetD10_1: D10.1 Q13.3 R70.1 | length 6.3
  Top Layer w0.254: D10.1@37.696,57.226 38.583,58.113 39.342,58.113 40.786,59.556 Q13.3@40.786,60.198 41.09,60.503 R70.1@42.24,60.503
NetD12_1: D12.1 D12.2 FB1.2 | length 3.2
  Top Layer w0.254: D12.2@77.556,6.101 79.27,6.101 79.363,6.194 FB1.2@79.363,7.568
NetD18_1: D18.1 R44.1 | length 1.6
  Top Layer w0.254: R44.1@37.541,10.49 D18.1@39.144,10.49
NetD19_2: D19.2 U3.22 | length 4.7
  Top Layer w0.254: U3.22@72.133,67.945 72.133,68.936 72.336,69.139 73.075,69.139 73.99,70.053 D19.2@75.423,70.053
NetD20_1: D20.1 FB2.2 P3.2 Q25.2 TVS3.2 | length 31.7
  Top Layer w0.254: v1(79.779,0.79) 79.779,0.861 80.366,1.448 FB2.2@81.483,1.448 TVS3.2@81.483,3.214 ; D20.1@90.5,5.31 v1(92.051,5.31) 93.32,6.579 93.32,11.049 92.912,11.456 Q25.2@91.63,11.456
  Bottom Layer w0.254: P3.2@79.779,3.127 v1(79.779,0.79) 80.34,0.229 89.204,0.229 91.669,2.693 91.669,3.16 92.051,3.542 v1(92.051,5.31)
NetD20_2: D20.2 Q25.1 R90.2 | length 13.6
  Top Layer w0.254: R90.2@89.586,2.845 86.563,2.845 85.801,3.607 D20.2@85.801,5.31 87.706,7.215 90.665,7.215 91.63,8.18 Q25.1@91.63,8.916
NetD41_1: D41.1 P10.2 R105.2 | length 14
  Top Layer w1.27: R105.2@20.858,56.009 24.079,56.009
  Bottom Layer w1.27: 24.079,56.009 28.904,56.009 31.598,53.315 v1(31.598,51.867) v1(31.598,51.181)
  other v1: 17.882,35.027 17.704,35.56 24.105,55.702 24.079,56.363
NetJ3_1: J3.1 R49.2 | length 2.7
  Top Layer w0.254: J3.1@68.918,35.261 R49.2@68.918,37.934
NetP5_2: P5.2 P5.3 P6.1 R118.1 R122.2
NetQ2_1: Q2.1 R14.2 R21.2 | length 2.9
  Top Layer w0.254: R21.2@83.77,36.956 R14.2@85,36.956 Q2.1@86.716,36.956
NetQ3_1: Q3.1 R17.2 | length 1.3
  Top Layer w0.254: Q3.1@56.913,69.087 R17.2@58.243,69.087
NetQ4_1: Q4.1 R22.1 | length 1.3
  Top Layer w0.254: Q4.1@31.532,7.067 R22.1@31.532,8.397
NetQ5_1: Q5.1 R27.1 | length 2.3
  Top Layer w0.254: Q5.1@65.421,74.694 66.888,73.227 R27.1@67.133,73.227
NetQ6_1: Q6.1 R37.1 | length 1.5
  Top Layer w0.254: Q6.1@32.789,28.936 R37.1@32.789,30.413
NetQ7_1: Q7.1 R45.2 | length 1.3
  Top Layer w0.254: Q7.1@43.466,28.289 R45.2@43.466,29.542
NetQ8_1: Q8.1 R31.2 R35.2 | length 2.9
  Top Layer w0.254: Q8.1@18.416,61.849 R35.2@19.939,61.849 R31.2@21.361,61.849
NetQ10_1: Q10.1 R62.1 | length 1.3
  Top Layer w0.254: R62.1@35.853,26.866 Q10.1@37.163,26.866
NetQ10_2: Q10.2 R47.2 | length 2.5
  Top Layer w0.254: Q10.2@39.063,26.866 39.063,27.289 R47.2@40.526,28.752
NetQ11_1: Q11.1 R70.2 | length 2.7
  Top Layer w0.254: Q11.1@42.217,59.126 43.175,59.126 43.942,59.893 R70.2@43.942,60.503
NetQ11_3: Q11.3 R67.1 | length 1.4
  Top Layer w0.254: Q11.3@44.617,58.176 45.984,58.176 R67.1@45.999,58.191
NetQ12_1: Q12.1 R3.2 | length 1.4
  Top Layer w0.254: R3.2@53.353,13.797 Q12.1@54.774,13.797
NetQ13_1: Q13.1 R74.2 R78.1 | length 2.7
  Top Layer w0.254: R74.2@37.005,62.5 37.005,61.148 Q13.1@38.386,61.148
NetQ16_1: Q16.1 R88.1 | length 1.4
  Top Layer w0.254: R88.1@85.842,58.621 Q16.1@87.248,58.621
NetQ16_3: Q16.3 R86.1 | length 2.3
  Top Layer w0.254: R86.1@85.899,61.015 Q16.3@88.204,61.015
NetQ17_1: Q17.1 R44.2 R108.1 | length 2.6
  Top Layer w0.254: R108.1@36.104,13.376 Q17.1@36.104,12.147 R44.2@37.497,12.147
NetQ17_3: Q17.3 R51.2 R53.1 R54.1 R75.1 | length 23.9
  Top Layer w0.254: R75.1@48.285,4.572 49.708,4.572 R53.1@49.708,4.597 ; R53.1@49.733,4.597 49.733,6.312 R54.1@50.597,7.175
  Top Layer w0.508: Q17.3@35.154,9.747 R51.2@35.154,7.724 37.417,7.724 39.04,9.347 46.457,9.347 48.285,7.518 R75.1@48.285,4.572
NetQ23_1: Q23.1 R85.2 R86.2 | length 2.7
  Top Layer w0.254: R85.2@84.506,64.059 Q23.1@84.506,62.704 R86.2@85.886,62.704
NetQ26_1: Q26.1 TP5.1 U7.1 | length 18.6
  Top Layer w0.254: v1(21.971,14.59) 22.312,14.249 26.898,14.249 TP5.1@29.108,16.459
  Bottom Layer w0.254: U7.1@16.073,19.954 16.073,18.801 16.548,18.326 18.53,18.326 18.872,17.983 18.872,15.215 19.496,14.59 v1(21.971,14.59)
NetQ26_3: Q26.3 Q27.3 R120.2
NetQ27_1: Q27.1 TP4.1 U7.2 | length 18.9
  Top Layer w0.254: v1(21.133,13.589) 21.361,13.818 28.524,13.818 TP4.1@29.108,13.233
  Bottom Layer w0.254: Q27.1@17.765,14.849 19.025,13.589 v1(21.133,13.589)
  Bottom Layer w0.508: U7.2@15.123,19.954 15.123,16.678 16.952,14.849 Q27.1@17.647,14.849 Q27.1@17.765,14.849
NetQ28_1: Q28.1 U19.1 | length 4.3
  Top Layer w0.508: U19.1@11.42,39.563 12.258,39.563 13.071,40.376 Q28.1@13.071,42.666
NetQ28_3: Q28.3 Q29.3 R121.2
NetQ29_1: Q29.1 U19.3 | length 3.4
  Top Layer w0.508: Q29.1@8.514,42.66 8.514,41.524 9.52,40.518 U19.3@9.52,39.649
NetQ30_1: Q30.1 R91.1 R92.2 | length 2.8
  Top Layer w0.254: Q30.1@27.673,57.14 27.836,57.302 R92.2@30.455,57.302
NetQ31_1: Q31.1 R93.2 R94.1 | length 2.8
  Top Layer w0.254: R93.2@32.436,57.871 32.448,57.884 Q31.1@32.448,60.67
NetQ31_3: Q31.3 U6.12@27.435,65.597 | length 5.1
  Top Layer w0.254: U6.12@27.435,65.597 27.435,64.234 Q31.3@30.048,61.62
NetR1_1: R1.1 R32.1 U14.8 | length 3
  Top Layer w0.254: U14.8@88.835,29.111 89.009,29.285 R1.1@89.009,32.079
NetR9_1: R9.1 U12.1 | length 6.9
  Top Layer w0.254: R9.1@41.999,27.075 41.999,22.884 42.781,22.102 U12.1@44.387,22.102
NetR28_2: R28.2 U3.21 | length 6
  Top Layer w0.254: U3.21@72.633,67.945 72.633,67.08 72.86,66.853 76.111,66.853 76.619,67.361 R28.2@76.619,68.174